# Altium PCB mcb2.PcbDoc (part 2 of 2)
Units mm, origin at the board's own origin, x right, y up, seen from the top; angles counter-clockwise.
Board outline 110 x 120 mm, 4 copper layers (Top Layer, GND, PWR, Bottom Layer), stack 1.537 mm thick; 173 components, 192 nets, 761 pads, 380 vias.
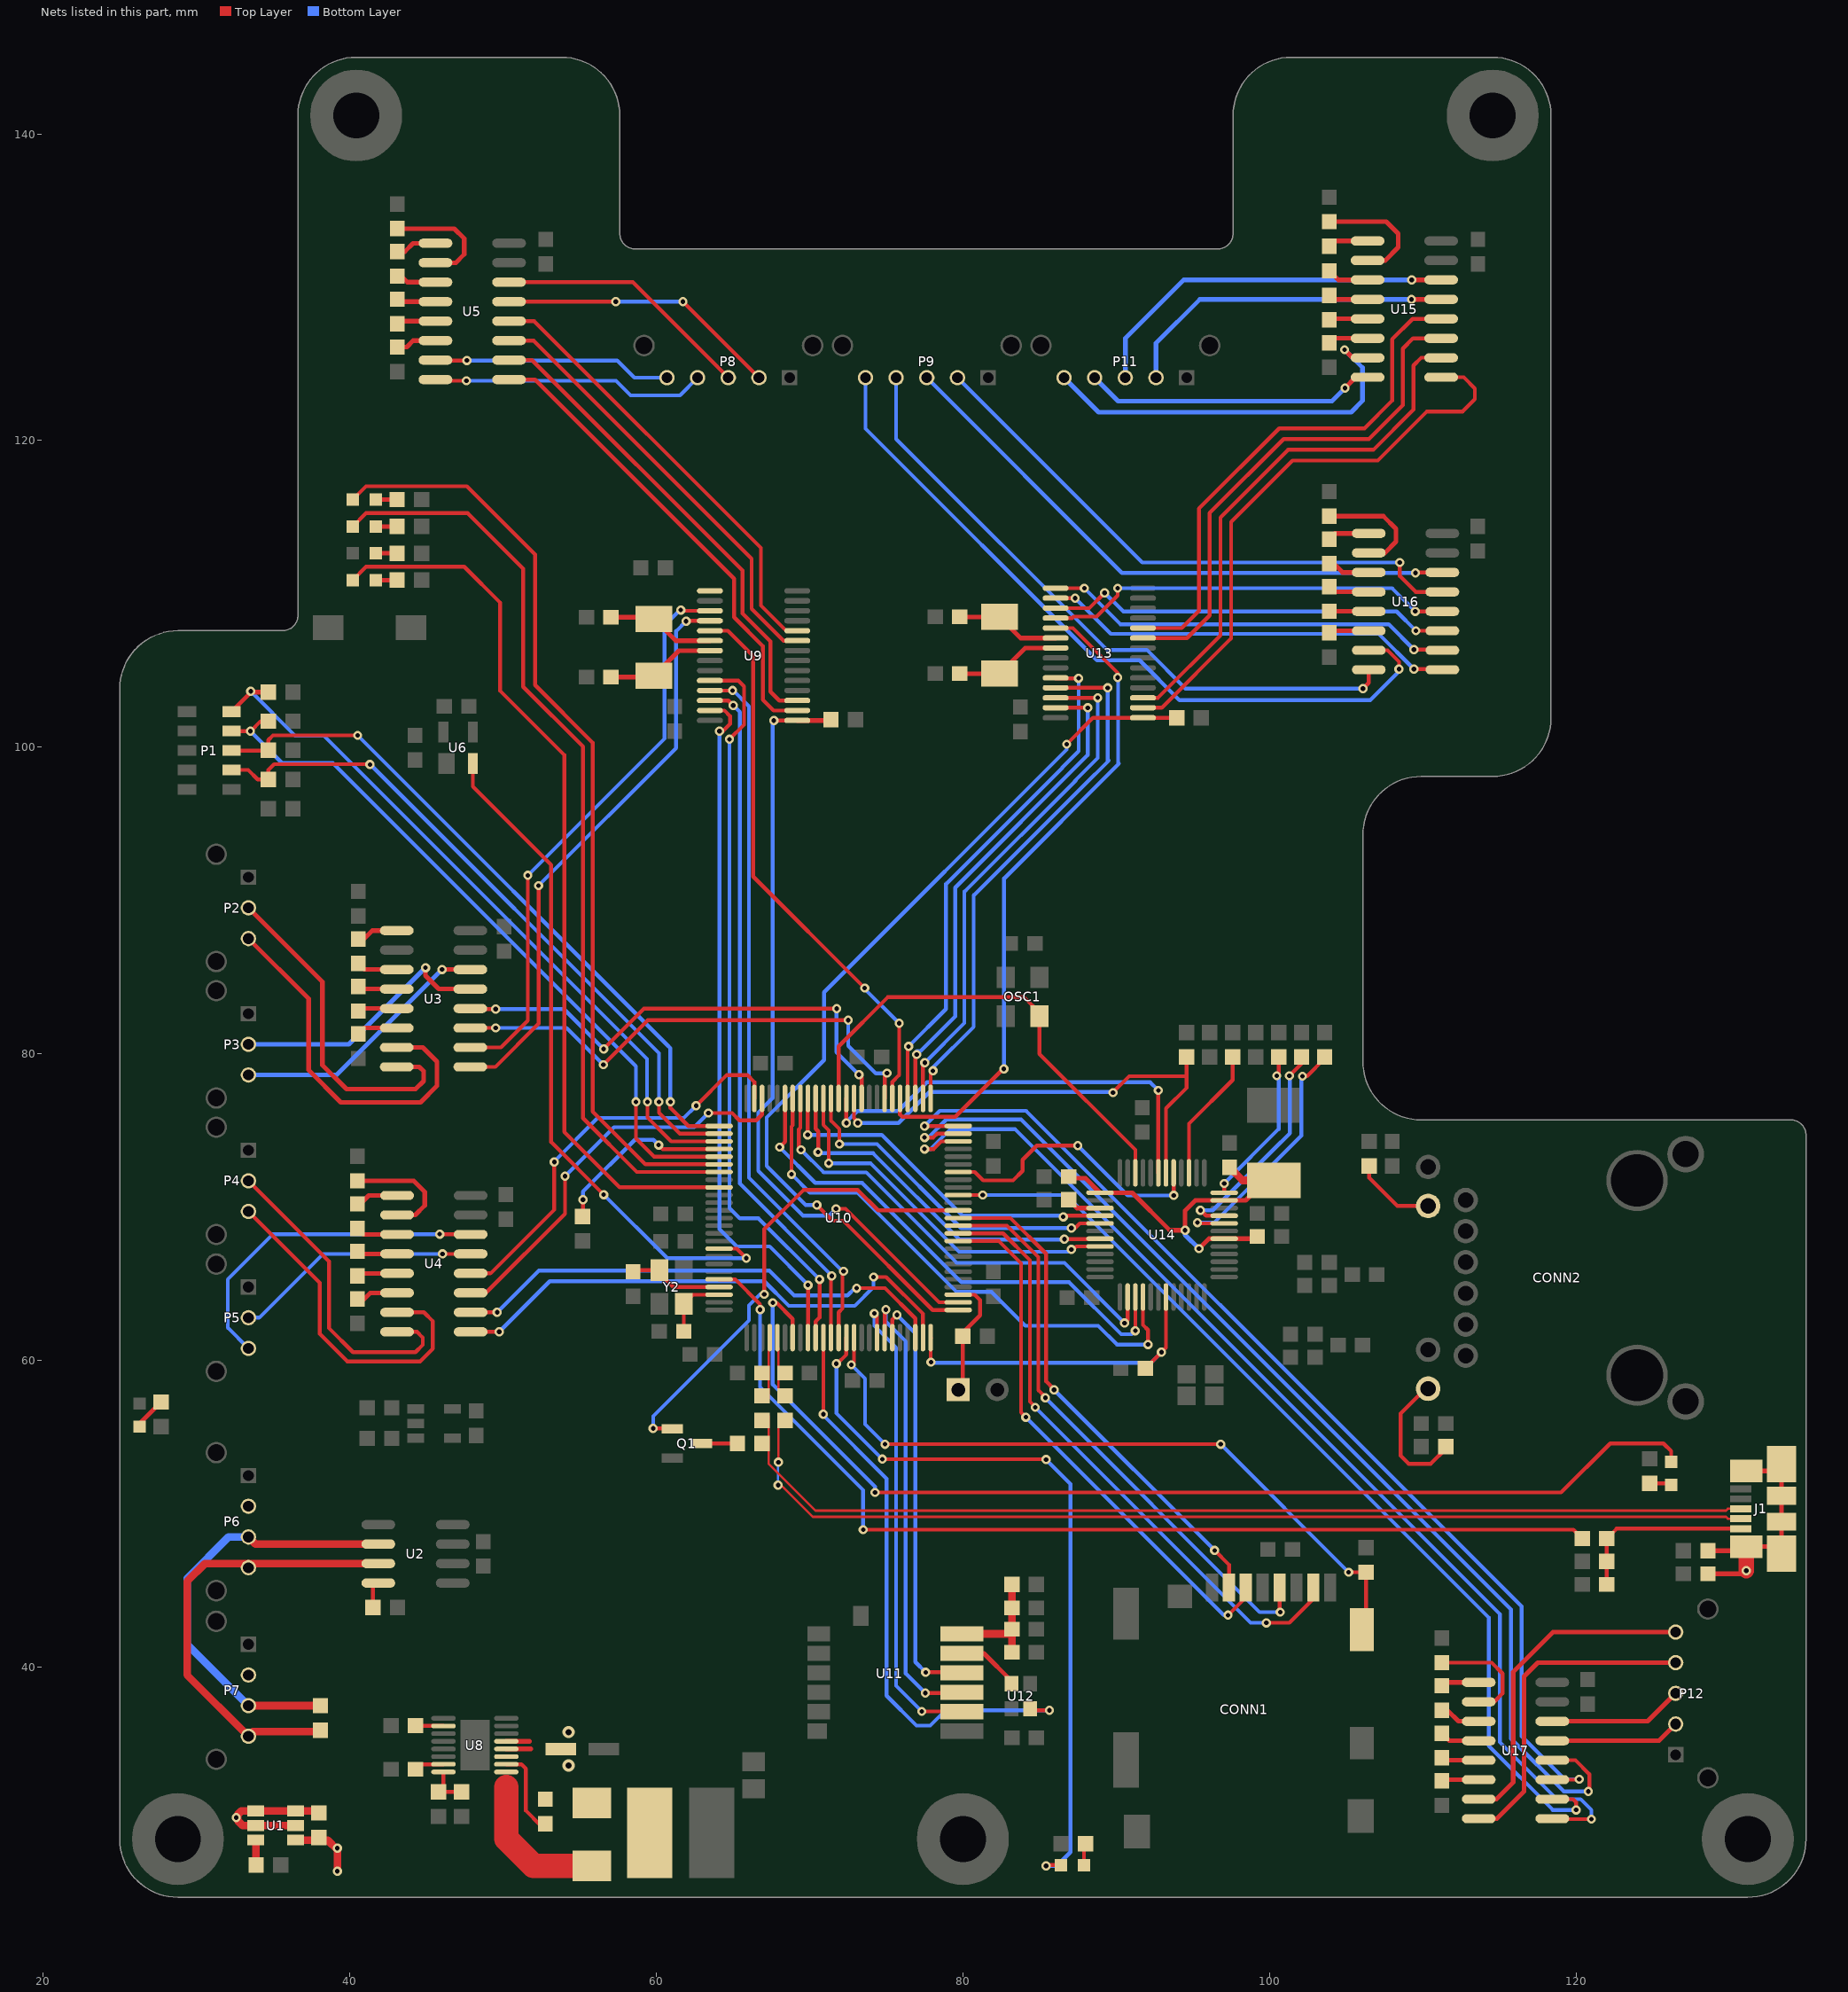
[diagram p4: the nets of this part, all layers, seen from the top]

## Via types
v1: diameter 0.6, hole 0.3, Top Layer to Bottom Layer, 213 vias
v2: diameter 0.6, hole 0.3, Top Layer to Bottom Layer, tented both sides, 156 vias
v3: diameter 0.8, hole 0.4, Top Layer to Bottom Layer, tented both sides, 11 vias

## Nets (pads, with @x,y where several pads share a name; then routed paths per layer and width w, separated by ;. In a path a pad name is that pad's centre, name@x,y a point inside that pad or via, vN(x,y) a via of type N, cw(c..) or ccw(c..) an arc to the next point about the centre after c; other vN are vias at no path point) (continued)
NetC2_1: C2.1 U3.1 | length 2.4
  Top Layer w0.3: C2.1@40.925,87.5 41.47,88.045 U3.1@43.075,88.045
NetC2_2: C2.2 U3.3 | length 2.1
  Top Layer w0.3: C2.2@40.97,85.505 U3.3@43.075,85.505
NetC3_1: C3.1 U3.4 | length 2.3
  Top Layer w0.3: C3.1@40.74,84.235 U3.4@43.075,84.235
NetC3_2: C3.2 U3.5 | length 2.3
  Top Layer w0.3: C3.2@40.74,82.965 U3.5@43.075,82.965
NetC4_1: C4.1 U3.6 | length 2.7
  Top Layer w0.3: C4.1@40.575,81.3 40.97,81.695 U3.6@43.075,81.695
NetC5_1: C5.1 U4.2 | length 7.6
  Top Layer w0.3: C5.1@40.5,71.725 44.175,71.725 44.9,71 44.9,70.125 44.275,69.5 U4.2@43.1,69.5
NetC6_1: C6.1 U4.1 | length 2.8
  Top Layer w0.3: C6.1@40.5,70.225 40.7,70.225 41.245,70.77 U4.1@43.1,70.77
NetC6_2: C6.2 U4.3 | length 2.8
  Top Layer w0.3: C6.2@40.5,68.625 40.895,68.23 U4.3@43.1,68.23
NetC7_1: C7.1 U4.4 | length 2.4
  Top Layer w0.3: C7.1@40.665,66.96 U4.4@43.1,66.96
NetC7_2: C7.2 U4.5 | length 2.4
  Top Layer w0.3: C7.2@40.665,65.69 U4.5@43.1,65.69
NetC8_1: C8.1 U4.6 | length 2.8
  Top Layer w0.3: C8.1@40.5,64.025 40.95,64.025 41.345,64.42 U4.6@43.1,64.42
NetC9_1: C9.1 U5.2 | length 7.8
  Top Layer w0.3: C9.1@43.1,133.825 46.825,133.825 47.475,133.175 47.475,132.15 46.925,131.6 U5.2@45.6,131.6
NetC10_1: C10.1 U5.1 | length 2.7
  Top Layer w0.3: C10.1@43.1,132.325 43.6,132.325 44.145,132.87 U5.1@45.6,132.87
NetC10_2: C10.2 U5.3 | length 2.7
  Top Layer w0.3: C10.2@43.1,130.725 43.375,130.725 43.77,130.33 U5.3@45.6,130.33
NetC11_1: C11.1 U5.4 | length 2.3
  Top Layer w0.3: C11.1@43.265,129.06 U5.4@45.6,129.06
NetC11_2: C11.2 U5.5 | length 2.3
  Top Layer w0.3: C11.2@43.265,127.79 U5.5@45.6,127.79
NetC12_1: C12.1 U5.6 | length 2.7
  Top Layer w0.3: C12.1@43.1,126.1 43.725,126.1 44.145,126.52 U5.6@45.6,126.52
NetC13_1: C13.1 U8.15 | length 1.5
  Top Layer w0.25: C13.1@44.625,33.675 U8.15@46.125,33.675
NetC20_1: C20.1 D6.2 L1.2 U8.3
NetC20_2: C20.2 U8.2 | length 5.8
  Top Layer w0.25: U8.2@50.225,33.675 51.2,33.675 51.5,33.375 51.5,30.65 52.411,29.739 52.775,29.739 C20.2@52.775,29.8
NetC22_1: C22.1 R9.2 U1.4 U8.4 U8.5 | length 7.5
  Top Layer w0.3: U8.4@50.225,34.675 51.825,34.675 ; U8.5@50.225,35.175 51.725,35.175
  Top Layer w0.5: U1.4@36.482,28.73 38.57,28.73 39.2,28.1 39.2,27.7 v2(39.2,26.7)
  other v2: 39.2,28.2
  other v3: 54.275,33.6 54.275,35.775
NetC23_1: C23.1 U9.6 Y1.1 | length 7.1
  Top Layer w0.3: C23.1@57.05,108.475 59.75,108.475 Y1.1@59.85,108.375 61.275,106.95 U9.6@63.5,106.95
NetC24_1: C24.1 U9.7 Y1.2 | length 7
  Top Layer w0.3: C24.1@57.05,104.575 Y1.2@59.75,104.575 ; Y1.2@59.85,104.675 61.475,106.3 U9.7@63.5,106.3
NetC27_1: C27.1 U10.22 Y2.1 | length 5.9
  Top Layer w0.25: C27.1@58.6,65.9 Y2.1@60.2,65.9 ; Y2.1@60.2,65.7 61.1,64.8 U10.22@64.1,64.8
NetC28_1: C28.1 U10.23 Y2.2 | length 4.3
  Top Layer w0.25: C28.1@61.8,61.9 Y2.2@61.8,63.7 62.4,64.3 U10.23@64.1,64.3
NetC37_1: C37.1 U13.6 Y3.1 | length 6.8
  Top Layer w0.3: C37.1@79.8,108.5 Y3.1@82.4,108.5 83.775,107.125 U13.6@86.05,107.125
NetC38_1: C38.1 U13.7 Y3.2 | length 6.9
  Top Layer w0.3: C38.1@79.8,104.8 Y3.2@82.4,104.8 84.075,106.475 U13.7@86.05,106.475
NetC43_2: C43.2 C44.2 C45.2 R27.1 U11.6 | length 7.8
  Top Layer w0.5: U11.6@79.95,42.18 82.899,42.18 C44.2@83.2,42.481 ; C45.2@83.2,40.981 C43.2@83.2,43.881 R27.1@83.2,45.4
NetC47_1: C47.1 C50.1 C51.1 C53.1 U14.18 U14.23 U14.37 | length 24.8
  Top Layer w0.3: C47.1@86.9,71.9 88,71.9 U14.37@88.95,70.95 91.05,70.95 93.5,68.5 v1(94.5,68.5) 94.5,69.775 95.175,70.45 U14.23@97.05,70.45 98.45,70.45 C51.1@99.75,71.75 ; v2(95.4,67.3) 96.05,67.95 U14.18@97.05,67.95 C53.1@99.05,67.95
  Top Layer w0.5: C50.1@97.4,72.6 98.25,71.75 C51.1@100.3,71.75
  Bottom Layer w0.3: v1@94.5,68.2 v2(95.4,67.3)
NetC54_1: C54.1 U15.2 | length 8.1
  Top Layer w0.3: C54.1@103.9,134.275 107.625,134.275 108.4,133.5 108.4,132.6 107.55,131.75 U15.2@106.4,131.75
NetC55_1: C55.1 U15.1 | length 2.6
  Top Layer w0.3: C55.1@103.9,132.675 104.245,133.02 U15.1@106.4,133.02
NetC55_2: C55.2 U15.3 | length 2.7
  Top Layer w0.3: C55.2@103.9,131.075 104.495,130.48 U15.3@106.4,130.48
NetC56_1: C56.1 U15.4 | length 2.2
  Top Layer w0.3: C56.1@104.165,129.21 U15.4@106.4,129.21
NetC56_2: C56.2 U15.5 | length 2.4
  Top Layer w0.3: C56.2@103.965,127.94 U15.5@106.4,127.94
NetC57_1: C57.1 U15.6 | length 2.6
  Top Layer w0.3: C57.1@103.9,126.375 104.195,126.67 U15.6@106.4,126.67
NetC59_1: C59.1 U16.2 | length 7.6
  Top Layer w0.3: C59.1@103.9,115.075 107.425,115.075 108.25,114.25 108.25,113.4 107.525,112.675 U16.2@106.475,112.675
NetC60_1: C60.1 U16.1 | length 2.7
  Top Layer w0.3: C60.1@103.9,113.575 104.27,113.945 U16.1@106.475,113.945
NetC60_2: C60.2 U16.3 | length 2.8
  Top Layer w0.3: C60.2@103.9,111.975 104.2,111.975 104.77,111.405 U16.3@106.475,111.405
NetC61_1: C61.1 U16.4 | length 2.7
  Top Layer w0.3: C61.1@103.9,110.475 104.24,110.135 U16.4@106.475,110.135
NetC61_2: C61.2 U16.5 | length 2.6
  Top Layer w0.3: C61.2@103.91,108.865 U16.5@106.475,108.865
NetC62_1: C62.1 U16.6 | length 2.5
  Top Layer w0.3: C62.1@104.02,107.595 U16.6@106.475,107.595
NetC67_1: C67.1 U17.2 | length 7.3
  Top Layer w0.25: C67.1@111.25,40.3 114.5,40.3 115.2,39.6 115.2,38.3 114.65,37.75 U17.2@113.65,37.75
NetC68_1: C68.1 U17.1 | length 2.5
  Top Layer w0.3: C68.1@111.25,38.8 111.47,39.02 U17.1@113.65,39.02
NetC68_2: C68.2 U17.3 | length 2.7
  Top Layer w0.3: C68.2@111.25,37.2 111.6,37.2 112.32,36.48 U17.3@113.65,36.48
NetC69_1: C69.1 U17.4 | length 3.7
  Top Layer w0.3: C69.1@111.25,35.7 111.74,35.21 U17.4@113.65,35.21 U17.4@112.59,35.21
NetC69_2: C69.2 U17.5 | length 2.2
  Top Layer w0.3: C69.2@111.41,33.94 U17.5@113.65,33.94
NetC70_1: C70.1 U17.6 | length 2.3
  Top Layer w0.3: C70.1@111.32,32.67 U17.6@113.65,32.67
NetC73_1: C73.1 J1.1 R46.2 R47.2 | length 12
  Top Layer w0.25: C73.1@122,45.4 R46.2@122,46.9 R47.2@122,48.4 122.64,49.04 J1.1@130.74,49.04
NetC75_1: C75.1 J1.6 R49.2 | length 16.3
  Top Layer w0.3: C75.1@128.6,46.1 v2@130.9,46.1 ; R49.2@128.6,47.6 J1.6@130.83,47.6 ; J1.6@131.1,47.87 132.95,47.87 J1.6@133.4,47.42 J1.6@133.4,49.5 J1.6@133.4,51.18 J1.6@133.4,53.25 ; J1.6@131.1,52.8 J1.6@132.95,52.8
  Top Layer w1: v2(131.1,46.3) J1.6@131.1,47.87
NetCONN2_8: CONN2.8 R43.1 | length 5.4
  Top Layer w0.25: R43.1@106.5,72.7 106.5,71.925 108.335,70.09 CONN2.8@110.35,70.09
NetCONN2_10: CONN2.10 R45.1 | length 8.9
  Top Layer w0.25: CONN2.10@110.35,58.17 110.17,58.17 108.55,56.55 108.55,53.8 109.075,53.275 110.525,53.275 111.5,54.25 R45.1@111.5,54.4
NetD1_1: D1.1 R1.1 | length 2.2
  Top Layer w0.3: D1.1@26.3,55.7 26.3,55.9 R1.1@27.7,57.3
NetD2_1: D2.1 R12.1 | length 1.4
  Top Layer w0.3: D2.1@41.7,116.15 R12.1@43.1,116.15
NetD3_1: D3.1 R13.1 | length 1.4
  Top Layer w0.3: D3.1@41.7,112.65 R13.1@43.1,112.65
NetD4_1: D4.1 R14.1 | length 1.4
  Top Layer w0.3: D4.1@41.7,114.4 R14.1@43.1,114.4
NetD5_1: D5.1 R15.1 | length 1.4
  Top Layer w0.3: D5.1@41.7,110.9 R15.1@43.1,110.9
NetD6_1: D6.1 U8.1 | length 9.7
  Top Layer w1.6: 50.225,32.175 50.225,28.825 52,27.05 D6.1@55.8,27.05
NetD7_1: D7.1 R28.1 | length 1.3
  Top Layer w0.25: D7.1@87.9,27.1 R28.1@87.9,28.4
NetD8_1: D8.1 R48.1 | length 1.3
  Top Layer w0.25: R48.1@124.8,52 D8.1@126.1,52
NetP2_2: P2.2 U3.8 | length 22.6
  Top Layer w0.3: P2.2@33.4,89.525 38.225,84.7 38.225,79.275 39.8,77.7 44.3,77.7 44.825,78.225 44.825,78.875 44.545,79.155 43.13,79.155 43.075,79.1 U3.8@43.075,79.155
  Bottom Layer w0.3: P2.2@33.4,89.525 P2.2@33.625,89.3
NetP2_3: P2.3 U3.7 | length 24.5
  Top Layer w0.3: P2.3@33.4,87.525 37.325,83.6 37.325,78.95 39.425,76.85 44.625,76.85 45.7,77.925 45.7,79.5 44.775,80.425 U3.7@43.075,80.425
NetP3_2: P3.2 U3.13 | length 17.4
  Top Layer w0.3: v1(44.95,85.625) 44.95,85.1 45.815,84.235 U3.13@47.875,84.235
  Bottom Layer w0.3: P3.2@33.4,80.625 39.95,80.625 v1(44.95,85.625)
NetP3_3: P3.3 U3.14 | length 17.3
  Top Layer w0.3: v1(46.03,85.505) U3.14@47.875,85.505
  Bottom Layer w0.3: P3.3@33.4,78.625 39.15,78.625 v1(46.03,85.505)
NetP4_2: P4.2 U4.8 | length 21.1
  Top Layer w0.25: P4.2@33.4,71.725 38.65,66.475 38.65,62.125 40.225,60.55 44.3,60.55 44.775,61.025 44.775,61.5 44.395,61.88 U4.8@43.1,61.88
NetP4_3: P4.3 U4.7 | length 22.7
  Top Layer w0.25: P4.3@33.4,69.725 38.05,65.075 38.05,61.75 39.85,59.95 44.6,59.95 45.431,60.781 45.431,62.569 44.85,63.15 U4.7@43.1,63.15
NetP5_2: P5.2 U4.13 | length 16.2
  Top Layer w0.25: v1(46.06,66.96) U4.13@47.9,66.96
  Bottom Layer w0.25: P5.2@33.4,62.8 34.1,62.8 38.26,66.96 v1(46.06,66.96)
NetP5_3: P5.3 U4.14 | length 22.1
  Top Layer w0.25: v1(45.875,68.25) U4.14@47.88,68.25
  Bottom Layer w0.25: P5.3@33.4,60.8 32.05,62.15 32.05,65.3 35,68.25 v1(45.875,68.25)
NetP6_2: P6.2 P7.2 R9.1 U1.1 U1.2 U1.5 U1.6 | length 9.8
  Top Layer w0.5: U1.5@36.482,29.68 U1.2@33.882,29.68 33.02,29.68 32.7,30 32.7,30.4 32.93,30.63 U1.1@33.882,30.63 U1.6@36.482,30.63 37.87,30.63 R9.1@38,30.5
  other v2: 32.6,30.2
NetP6_3: P6.3 P7.3 R8.2 U2.6 | length 28.4
  Top Layer w0.5: P7.3@33.4,37.5 R8.2@38.1,37.5 ; P6.3@33.4,48.5 33.865,48.035 U2.6@41.875,48.035
  Bottom Layer w0.5: P7.3@33.4,37.5 29.4,41.5 29.4,45.8 32.1,48.5 P6.3@33.4,48.5
NetP6_4: P6.4 P7.4 R8.1 U2.7 | length 29.6
  Top Layer w0.5: R8.1@38.1,35.9 38,35.8 33.7,35.8 P7.4@33.4,35.5 29.4,39.5 29.4,45.6 30.565,46.765 33.665,46.765 U2.7@41.875,46.765
NetP8_2: P8.2 U5.13 | length 18.4
  Top Layer w0.25: U5.13@50.4,129.06 v1(57.365,129.06) ; v1(61.74,129.06) P8.2@66.7,124.1
  Bottom Layer w0.25: v1(57.365,129.06) v1(61.74,129.06)
NetP8_3: P8.3 U5.14 | length 16.9
  Top Layer w0.25: U5.14@50.4,130.33 58.47,130.33 P8.3@64.7,124.1
NetP8_4: P8.4 U5.8 | length 17.9
  Top Layer w0.25: U5.8@45.68,123.9 v1(47.625,123.9)
  Bottom Layer w0.25: v1(47.625,123.9) 57.375,123.9 58.325,122.95 61.55,122.95 P8.4@62.7,124.1
NetP8_5: P8.5 U5.7 | length 15.6
  Top Layer w0.25: U5.7@45.6,125.25 45.625,125.225 v1(47.65,125.225)
  Bottom Layer w0.25: v1(47.65,125.225) 57.45,125.225 58.575,124.1 P8.5@60.7,124.1
NetP9_2: P9.2 U16.13 | length 37.9
  Top Layer w0.25: v1(108.5,112.05) 108.5,111.175 109.54,110.135 U16.13@111.275,110.135
  Bottom Layer w0.25: P9.2@79.65,124.1 91.7,112.05 v1(108.5,112.05)
NetP9_3: P9.3 U16.14 | length 38.9
  Top Layer w0.25: v1(109.525,111.375) 109.525,111.385 109.545,111.405 U16.14@111.275,111.405
  Bottom Layer w0.25: P9.3@77.65,124.1 90.375,111.375 v1(109.525,111.375)
NetP9_4: P9.4 U16.8 | length 42.6
  Top Layer w0.25: v1(106.1,103.825) 106.475,104.2 U16.8@106.475,105.055
  Bottom Layer w0.25: P9.4@75.65,124.1 75.65,120.1 89.4,106.35 92,106.35 94.525,103.825 v1(106.1,103.825)
NetP9_5: P9.5 U16.7 | length 49.3
  Top Layer w0.25: U16.7@106.475,106.325 107.7,106.325 108.45,105.575 v1(108.45,105.1)
  Bottom Layer w0.25: P9.5@73.65,124.1 73.65,120.775 88.75,105.675 91.525,105.675 94.125,103.075 106.575,103.075 v1@108.525,105.025 ; v1@108.275,105.1 v1(108.45,105.1)
NetP11_2: P11.2 U15.13 | length 22
  Top Layer w0.3: v1(109.265,129.21) U15.13@111.2,129.21
  Bottom Layer w0.3: P11.2@92.6,124.1 92.6,126.35 95.46,129.21 v1(109.265,129.21)
NetP11_3: P11.3 U15.14 | length 24.8
  Top Layer w0.3: v1(109.28,130.48) U15.14@111.2,130.48
  Bottom Layer w0.3: P11.3@90.6,124.1 90.6,126.675 94.405,130.48 v1(109.28,130.48)
NetP11_4: P11.4 U15.8 | length 19.1
  Top Layer w0.3: v1(104.925,123.425) 105.63,124.13 U15.8@106.4,124.13
  Bottom Layer w0.3: P11.4@88.6,124.1 90.125,122.575 104.075,122.575 v1(104.925,123.425)
NetP11_5: P11.5 U15.7 | length 26.3
  Top Layer w0.3: P11.5@86.6,124 P11.5@86.6,124.1 ; v1(104.9,125.925) 105.425,125.4 U15.7@106.4,125.4
  Bottom Layer w0.3: P11.5@86.6,124.1 88.85,121.85 105.325,121.85 106.075,122.6 106.075,124.75 v1(104.9,125.925)
NetP12_2: P12.2 U17.13 | length 8.5
  Top Layer w0.3: U17.13@118.45,35.21 125.41,35.21 P12.2@126.5,36.3
NetP12_3: P12.3 U17.14 | length 8.8
  Top Layer w0.3: U17.14@118.45,36.48 124.68,36.48 P12.3@126.5,38.3
NetP12_4: P12.4 U17.8 | length 22.3
  Top Layer w0.3: U17.8@114.5,30.13 U17.8@113.65,30.13 114.83,30.13 116.6,31.9 116.6,39.4 117.5,40.3 P12.4@126.5,40.3
NetP12_5: P12.5 U17.7 | length 21.6
  Top Layer w0.3: U17.7@113.65,31.4 114.8,31.4 115.9,32.5 115.9,39.7 118.5,42.3 P12.5@126.5,42.3
NetQ1_1: Q1.1 R23.2 | length 2.4
  Top Layer w0.25: Q1.1@62.95,54.6 R23.2@65.3,54.6
NetR7_2: R7.2 U1.3 | length 1.6
  Top Layer w0.5: R7.2@33.882,27.118 U1.3@33.882,28.73
NetR16_2: R16.2 U2.8 | length 1.6
  Top Layer w0.25: R16.2@41.525,43.9 41.525,45.445 U2.8@41.575,45.495
NetR17_2: R17.2 U8.10 | length 1.8
  Top Layer w0.25: R17.2@44.3,36.2 44.325,36.175 U8.10@46.125,36.175
NetR18_2: R18.2 R19.1 U8.16 | length 2.5
  Top Layer w0.25: R18.2@45.8,31.875 R19.1@47.3,31.875 ; R18.2@46.125,32.2 U8.16@46.125,33.175
NetR21_1: R21.1 U10.4 | length 12.1
  Top Layer w0.25: R21.1@55.225,69.425 v1(55.225,70.5) ; v1(60.159,74.059) 60.418,73.8 U10.4@64.1,73.8
  Bottom Layer w0.25: v1(55.225,70.5) 55.225,71.025 58.6,74.4 59.818,74.4 v1(60.159,74.059)
NetR29_1: R29.1 U14.39 | length 2.3
  Top Layer w0.3: R29.1@86.9,70.5 87.35,70.05 87.45,69.95 U14.39@88.95,69.95
NetR34_1: R34.1 U14.27 | length 8.7
  Top Layer w0.25: U14.27@94.75,72.25 94.75,75.45 97.6,78.3 R34.1@97.6,79.8
NetR40_1: R40.1 U14.21 | length 14.9
  Top Layer w0.25: v2@95.513,69.8 95.863,69.45 U14.21@97.05,69.45 ; v1@101.355,78.629 102.1,79.374 R40.1@102.1,79.8
  Bottom Layer w0.25: v2(95.5,69.8) 96.3,69.8 100.23,73.73 101.325,74.825 101.325,78.599 v1@101.355,78.629
  other v1: 101.3,78.575
NetR41_2: R41.2 U14.24 | length 10.3
  Top Layer w0.25: U14.24@97.05,70.95 v2(97.05,71.55) ; v2@100.6,78.6 R41.2@100.6,79.8
  Bottom Layer w0.25: v2(97.05,71.55) 100.6,75.1 v2@100.6,78.6
  other v2: 100.475,78.575
NetR42_1: R42.1 U14.20 | length 16.4
  Top Layer w0.25: v2@95.55,68.95 U14.20@97.05,68.95 ; v1@102.13,78.554 102.454,78.554 103.6,79.7 R42.1@103.6,79.8
  Bottom Layer w0.25: v2@95.5,69 96.4,69 102.075,74.675 102.075,78.499 v1@102.13,78.554
  other v1: 102.15,78.55
  other v2: 95.3,69
NetU3_9: U3.9 U9.4 | length 37.4
  Top Layer w0.25: U3.9@47.875,79.155 49.505,79.155 52.325,81.975 v1(52.325,90.975) ; v1(61.95,108.225) 61.975,108.25 U9.4@63.5,108.25
  Bottom Layer w0.25: v1(52.325,90.975) 61.3,99.95 61.3,107.575 v1(61.95,108.225)
NetU3_10: U3.10 U9.3 | length 37.3
  Top Layer w0.25: U3.10@47.875,80.425 49.875,80.425 51.625,82.175 v1(51.625,91.65) ; v1(61.6,108.95) 61.65,108.9 U9.3@63.5,108.9
  Bottom Layer w0.25: v1(51.625,91.65) 60.55,100.575 60.55,107.95 61.55,108.95 v1(61.6,108.95)
NetU5_9: U5.9 U9.16 | length 31.3
  Top Layer w0.25: U5.9@50.4,123.98 52.095,123.98 65.075,111 65.075,108.475 66.95,106.6 66.95,103.1 67.65,102.4 U9.16@69.2,102.4
NetU5_10: U5.10 U9.17 | length 31.6
  Top Layer w0.25: U5.10@50.4,125.25 51.9,125.25 65.625,111.525 65.625,108.725 67.45,106.9 67.45,103.625 68.025,103.05 U9.17@69.2,103.05
NetU5_11: U5.11 U9.23 | length 28.8
  Top Layer w0.25: U5.11@50.4,126.52 52.005,126.52 66.225,112.3 66.225,109.025 68.3,106.95 U9.23@69.2,106.95
NetU5_12: U5.12 U9.24 | length 29.4
  Top Layer w0.25: U5.12@50.4,127.79 52.035,127.79 66.825,113 66.825,109.25 68.475,107.6 U9.24@69.2,107.6
NetU9_1: U9.1
NetU10_17: U6.2 U10.17 | length 44.7
  Top Layer w0.25: U6.2@48.035,98.95 48.035,97.44 53.15,92.325 53.15,74.25 v1(56.575,70.825) ; U10.17@64.1,67.3 65.25,67.3 v1(65.875,66.675)
  Bottom Layer w0.25: v1(56.575,70.825) 60.725,66.675 v1(65.875,66.675)
NetU10_53: P10.1 R26.1 U10.53 | length 8
  Top Layer w0.25: P10.1@79.7,58.1 80,58.4 80,61.825 81.125,62.95 81.125,63.95 80.775,64.3 U10.53@79.7,64.3
NetU11_5: U11.5 U12.3 | length 4.1
  Top Layer w0.3: U11.5@79.95,40.91 81.365,40.91 83.175,39.1 U12.3@83.175,38.925
NetU13_1: U13.1 U16.10 | length 26.8
  Top Layer w0.25: U13.1@86.05,110.375 v1(87.925,110.375) ; v1(109.425,106.375) U16.10@111.225,106.375
  Bottom Layer w0.25: v1(87.925,110.375) 90.275,108.025 107.775,108.025 v1(109.425,106.375)
NetU13_2: U13.2 U16.9 | length 27.2
  Top Layer w0.25: U13.2@86.05,109.725 v1(87.325,109.725) ; v1(109.425,105.1) 111.23,105.1 U16.9@111.275,105.055
  Bottom Layer w0.25: v1(87.325,109.725) 89.65,107.4 107.125,107.4 v1(109.425,105.1)
NetU13_3: U13.3 U16.11 | length 26.7
  Top Layer w0.25: U13.3@86.05,109.075 88.25,109.075 v1(89.25,110.075) ; v1(109.555,107.595) U16.11@111.275,107.595
  Bottom Layer w0.25: v1(89.25,110.075) 90.475,108.85 108.3,108.85 v1(109.555,107.595)
NetU13_4: U13.4 U16.12 | length 26.9
  Top Layer w0.25: U13.4@86.05,108.425 87.125,108.425 87.225,108.525 88.725,108.525 90.1,109.9 v1(90.1,110.375) ; v1(109.51,108.865) U16.12@111.275,108.865
  Bottom Layer w0.25: v1(90.1,110.375) 108,110.375 v1(109.51,108.865)
NetU13_16: U13.16 U15.9 | length 37.6
  Top Layer w0.25: U13.16@91.75,102.575 92.975,102.575 97.5,107.1 97.5,114.7 101.5,118.7 107.07,118.7 110.27,121.9 112.6,121.9 113.4,122.7 113.4,123.4 112.67,124.13 U15.9@111.2,124.13
NetU13_17: U13.17 U15.10 | length 34.8
  Top Layer w0.25: U13.17@91.75,103.225 92.725,103.225 96.8,107.3 96.8,114.99 101.21,119.4 106.78,119.4 109.4,122.02 109.4,124.9 109.9,125.4 U15.10@111.2,125.4
NetU13_23: U13.23 U15.11 | length 33.6
  Top Layer w0.25: U13.23@91.75,107.125 94.625,107.125 96.1,108.6 96.1,115.28 100.92,120.1 106.49,120.1 108.7,122.31 108.7,126 109.37,126.67 U15.11@111.2,126.67
NetU13_24: U13.24 U15.12 | length 34.1
  Top Layer w0.25: U13.24@91.75,107.775 94.275,107.775 95.4,108.9 95.4,115.57 100.63,120.8 106.2,120.8 108,122.6 108,126.6 109.34,127.94 U15.12@111.2,127.94
PHY_CRS_DV: U10.92 U14.40 | length 23.7
  Top Layer w0.25: v2(69.875,74.725) 69.875,77.075 U10.92@69.9,77.1 ; v2(86.55,69.375) 86.625,69.45 U14.40@88.95,69.45
  Bottom Layer w0.25: v2(69.875,74.725) 74.7,74.725 79.975,69.45 86.475,69.45 v2(86.55,69.375)
PHY_I\R\Q\: R30.1 U10.50 U14.7 | length 22.3
  Top Layer w0.25: v1@77.9,59.925 U10.50@77.9,61.5 U10.50@77.925,61.475 ; R30.1@91.9,59.5 v1(92.954,60.554) 93.25,60.85 U14.7@93.25,64.15
  Bottom Layer w0.25: v1(77.925,59.9) 77.875,59.85 92.25,59.85 v1(92.954,60.554)
PHY_MDC: U10.87 U14.31 | length 28.7
  Top Layer w0.25: v2(72.4,75.5) U10.87@72.4,77.1 ; U14.31@92.75,72.25 v2(92.75,77.625)
  Bottom Layer w0.25: v2(72.4,75.5) 72.4,75.563 73.112,76.275 75.775,76.275 77.65,78.15 92.225,78.15 v2(92.75,77.625)
PHY_MDIO: R32.1 U10.86 U14.30 | length 32.7
  Top Layer w0.25: U10.86@72.9,77.1 72.9,75.813 73.15,75.563 v2(73.15,75.5) ; v2(89.8,77.475) 89.8,77.45 89.775,77.475 89.788,77.488 90.85,78.55 94.6,78.55 ; U14.30@93.275,72.275 U14.30@93.25,72.25 93.25,76.45 94.6,77.8 94.6,78.55 ; R32.1@94.6,79.8 94.6,78.55
  Bottom Layer w0.25: v2(73.15,75.5) 75.8,75.5 77.825,77.525 89.75,77.525 v2(89.8,77.475)
PHY_R\E\S\E\T\: U10.69 U14.29 | length 18.5
  Top Layer w0.25: U10.69@79.7,72.3 80.775,72.3 81.325,71.75 83.275,71.75 83.9,72.375 83.9,73.1 84.825,74.025 v2(87.5,74.025) ; v2(93.75,70.775) U14.29@93.75,72.25
  Bottom Layer w0.25: v2(87.5,74.025) 90.75,70.775 v2(93.75,70.775)
PHY_RX_ER: U10.89 U14.41 | length 22.6
  Top Layer w0.25: U10.89@71.4,77.1 71.4,75.65 71.95,75.1 v2(71.95,74.125) ; v2(87.075,68.65) 87.325,68.65 87.625,68.95 U14.41@88.95,68.95
  Bottom Layer w0.25: v2(71.95,74.125) 74.4,74.125 79.875,68.65 v2(87.075,68.65)
PHY_RXD0: U10.91 U14.43 | length 24.6
  Top Layer w0.25: U10.91@70.4,77.1 70.4,75.125 70.575,74.95 70.575,73.625 v2(70.55,73.6) ; v2(86.625,67.925) 88.925,67.925 U14.43@88.95,67.95
  Bottom Layer w0.25: v2@70.525,73.525 74.15,73.525 79.779,67.896 86.623,67.896 86.625,67.898 v2(86.625,67.925) ; v2@70.55,73.425 v2(70.55,73.6)
PHY_RXD1: U10.90 U14.44 | length 24.7
  Top Layer w0.25: U10.90@70.9,77.1 70.9,75.375 71.25,75.025 v2(71.25,72.875) ; v2@87.083,67.157 87.083,67.117 87.1,67.1 87.1,67.15 87.4,67.45 U14.44@88.95,67.45
  Bottom Layer w0.25: v2(71.25,72.875) 73.975,72.875 79.75,67.1 86.925,67.1 v2(87.075,67.25)
PHY_TX_EN: U10.93 U14.2 | length 31
  Top Layer w0.25: U10.93@69.4,77.1 69.4,75.175 69.3,75.075 69.3,73.9 v1(69.45,73.75) ; v1(90.55,62.45) 90.75,62.65 U14.2@90.75,64.15
  Bottom Layer w0.25: v1(69.45,73.75) 70.925,72.275 73.7,72.275 79.6,66.375 86.625,66.375 v1(90.55,62.45)
PHY_TXD0: U10.95 U14.3 | length 33.9
  Top Layer w0.25: v1(68.05,73.925) 68.4,74.275 U10.95@68.4,77.1 ; v1(91.25,61.95) U14.3@91.25,64.15
  Bottom Layer w0.25: v1(68.05,73.925) 70.375,71.6 73.425,71.6 79.9,65.125 86.925,65.125 90.325,61.725 91.025,61.725 v1(91.25,61.95)
PHY_TXD1: U10.94 U14.4 | length 36.1
  Top Layer w0.25: v1(68.825,72.15) 68.825,75.275 68.9,75.35 U10.94@68.9,77.1 ; U14.4@91.75,64.15 91.75,62.325 92.075,62 v1(92.075,61.05)
  Bottom Layer w0.25: v1(68.825,72.15) 70.025,70.95 73.125,70.95 79.6,64.475 81.875,64.475 84.075,62.275 88.825,62.275 90.05,61.05 v1(92.075,61.05)
PRESSURE_SENSOR.MISO: U10.44 U11.3 | length 30.3
  Top Layer w0.25: U10.44@74.9,61.5 74.9,63.249 v1(74.979,63.328) ; v1(77.55,38.325) U11.3@79.905,38.325
  Bottom Layer w0.25: v1@74.976,63.325 v1(74.979,63.328) 74.979,62.55 76.275,61.254 76.275,39.6 v1(77.55,38.325)
PRESSURE_SENSOR.MOSI: U10.45 U11.4 | length 28
  Top Layer w0.25: U10.45@75.4,61.5 75.4,62.675 v1(75.7,62.975) ; v1(77.575,39.675) U11.4@79.915,39.675
  Bottom Layer w0.25: v1(75.7,62.975) 76.9,61.775 76.9,40.35 v1(77.575,39.675)
PRESSURE_SENSOR.SCLK: U10.43 U11.2 | length 31.2
  Top Layer w0.25: U10.43@74.4,61.5 v1@74.4,62.9 ; v1(77.325,37.125) U11.2@79.925,37.125
  Bottom Layer w0.25: v1(74.225,63.075) 74.225,62.275 75.65,60.85 75.65,38.8 v1(77.325,37.125)
PS_OSC_EN: U10.36 U12.1 | length 38.2
  Top Layer w0.25: v1(70.9,56.5) U10.36@70.9,61.5 ; U12.1@84.4,37.3 84.5,37.2 v1(85.65,37.2)
  Bottom Layer w0.25: v1(70.9,56.5) 70.9,56.428 75.025,52.303 75.025,38.15 76.975,36.2 77.875,36.2 78.875,37.2 v1(85.65,37.2)
REF_CLK: OSC1.3 U10.88 U14.34 | length 31.3
  Top Layer w0.25: U10.88@71.9,77.1 71.9,80.5 75.1,83.7 84,83.7 85,82.7 OSC1.3@85,82.46 85,80 91.25,73.75 U14.34@91.25,72.25
S\D\C\A\R\D\_\C\D\: CONN1.9 R44.1 U10.40 | length 46.6
  Top Layer w0.25: v1(72.725,59.725) 72.9,59.9 U10.40@72.9,61.5 ; v1(74.925,54.55) v1(96.817,54.55) ; v1(105.167,46.2) R44.1@106.3,46.2 106.3,42.725 CONN1.9@106.025,42.45
  Bottom Layer w0.25: v1(72.725,59.725) 73.625,58.825 73.625,55.85 v1(74.925,54.55) ; v1(96.817,54.55) v1(105.167,46.2)
SDCARD_ACT: D7.2 U10.39 | length 49.4
  Top Layer w0.25: v1(71.75,59.8) 71.8,59.8 72.4,60.4 U10.39@72.4,61.5 ; v1(74.75,53.575) 85.425,53.575 v1(85.425,53.55) ; v1(85.425,27.05) 85.475,27.1 D7.2@86.4,27.1
  Bottom Layer w0.25: v1(71.75,59.8) 71.75,56.575 v1(74.75,53.575) ; v1(85.425,27.05) 86.125,27.05 87.025,27.95 87.025,51.95 v1(85.425,53.55)
SPI-UART0_I\R\Q\: R25.1 U9.15 U10.52 | length 50.3
  Top Layer w0.25: v1(67.675,101.75) U9.15@69.2,101.75 ; v1(71.725,69.9) 72.35,69.9 78.45,63.8 U10.52@79.7,63.8
  Top Layer w0.3: U9.15@69.2,101.75 R25.1@71.35,101.75
  Bottom Layer w0.25: v1@67.6,101.675 67.6,77.125 66.65,76.175 66.65,72.375 69.575,69.45 71.275,69.45 v1(71.725,69.9)
SPI-UART0_R\E\S\E\T\: U9.5 U10.81 | length 36.5
  Top Layer w0.25: U9.5@63.5,107.6 64.675,107.6 66.325,105.95 66.325,92.5 66.325,91.575 v1(73.6,84.3) ; U10.81@75.4,77.1 75.4,78.175 75.85,78.625 v1(75.85,82)
  Bottom Layer w0.25: v1(73.6,84.3) 73.6,84.25 v1(75.85,82)
SPI-UART1_I\R\Q\: R31.1 U10.51 U13.15 | length 59.9
  Top Layer w0.25: v1(70.475,70.15) 71.5,69.125 72.2,69.125 78.025,63.3 U10.51@79.7,63.3 ; v1(86.775,100.2) 88.5,101.925 U13.15@91.75,101.925 R31.1@93.95,101.925
  Bottom Layer w0.25: v1(70.475,70.15) 69.75,70.15 67.207,72.693 67.207,75.857 70.95,79.6 70.95,84.025 86.775,99.85 v1(86.775,100.2)
SPI-UART1_R\E\S\E\T\: U10.80 U13.5 | length 43.8
  Top Layer w0.25: U10.80@75.9,77.1 75.9,76.05 76.05,75.9 79.5,75.9 82.625,79.025 v1(82.675,79.025) ; U13.5@86.05,107.775 87.175,107.775 90.1,104.85 v1(90.1,104.55)
  Bottom Layer w0.25: v1(82.675,79.025) 82.675,91.45 ; 82.738,91.486 90.188,98.936 ; v1(90.1,104.55) 90.1,104.75 90.125,104.775 90.125,98.9
SPI.C\S\: CONN1.2 U10.63 | length 33.4
  Top Layer w0.25: U10.63@79.7,69.3 83.1,69.3 85.425,66.975 85.425,58.653 85.95,58.128 v1(85.95,58.1) ; v1(96.425,47.625) 97.36,46.69 CONN1.2@97.36,45.2
  Bottom Layer w0.25: v1(85.95,58.1) v1(96.425,47.625)
SPI.SPI.MISO: CONN1.7 U10.61 | length 40.3
  Top Layer w0.25: U10.61@79.7,68.3 80.8,68.3 82.625,68.3 84.375,66.55 84.375,57.325 v2@84.639,57.061 ; v2(99.8,42.9) 101.3,42.9 102.86,44.46 CONN1.7@102.86,45.2
  Bottom Layer w0.25: v2(84.725,56.95) 98.775,42.9 v2(99.8,42.9)
SPI.SPI.MOSI: CONN1.3 U10.60 | length 35.7
  Top Layer w0.25: U10.60@79.7,67.8 82.35,67.8 83.8,66.35 83.8,56.618 v2(84.109,56.309) ; v2(97.3,43.4) 98.46,44.56 CONN1.3@98.46,45.2
  Bottom Layer w0.25: v2(84.109,56.309) 84.154,56.264 97.018,43.4 v2(97.3,43.4)
SPI.SPI.SCLK: CONN1.5 U10.62 | length 38.1
  Top Layer w0.25: U10.62@79.7,68.8 82.875,68.8 84.925,66.75 84.925,58.075 v1@85.4,57.6 ; CONN1.5@100.66,45.2 100.66,43.64 v2(100.7,43.6)
  Bottom Layer w0.25: v1(85.379,57.578) 99.357,43.6 v2(100.7,43.6)
SSP0.C\S\: U9.10 U10.35 | length 48.5
  Top Layer w0.25: U9.10@63.5,104.35 65.35,104.35 65.725,103.975 65.725,101.475 v1(64.775,100.525) ; U10.35@70.4,61.5 70.4,62.553 70.65,62.803 v2(70.65,65.3)
  Bottom Layer w0.25: v1(64.775,100.525) 64.775,69.95 65.45,69.275 66.675,69.275 v2(70.65,65.3)
SSP0.SPI.MISO: U9.12 U10.37 | length 45.4
  Top Layer w0.25: U9.12@63.5,103.05 64.7,103.05 v1(65.025,102.725) ; U10.37@71.4,61.5 v2@71.4,65.475
  Bottom Layer w0.25: v1(65.025,102.725) 65.45,102.3 65.45,71.55 v2@71.4,65.6
  other v2: 71.45,65.525
SSP0.SPI.MOSI: U9.11 U10.38 | length 46.7
  Top Layer w0.25: U9.11@63.5,103.7 v1(64.975,103.7) ; U10.38@71.9,61.5 71.9,63.152 72.15,63.401 v2@72.15,65.75
  Bottom Layer w0.25: v1@65,103.725 66.05,102.675 66.05,71.925 v2@72.15,65.825
  other v2: 72.225,65.825
SSP0.SPI.SCLK: U9.13 U10.34 | length 46.1
  Top Layer w0.25: U9.13@63.5,102.4 64.45,102.4 64.825,102.025 64.825,101.525 64.35,101.05 v1(64.125,101.05) ; U10.34@69.9,61.5 69.9,63.5 v1(69.9,64.925)
  Bottom Layer w0.25: v1(64.125,101.05) 64.125,68.575 65.25,67.45 67.4,67.45 v1@69.9,64.95
SSP1.C\S\: U10.79 U13.10 | length 33.5
  Top Layer w0.25: U10.79@76.4,77.1 76.4,80.432 v2(76.459,80.491) ; U13.10@86.075,104.5 v1(87.55,104.5)
  Top Layer w0.3: U13.10@86.05,104.525 U13.10@86.075,104.5
  Bottom Layer w0.25: v2(76.459,80.491) 78.9,82.932 78.9,91.096 ; 78.963,91.131 86.515,98.684 ; 86.452,98.648 87.55,99.746 v1(87.55,104.5)
SSP1.SPI.MISO: U10.77 U13.12 | length 33.6
  Top Layer w0.25: U10.77@77.4,77.1 77.4,79.311 v2(77.52,79.43) ; U13.12@86.05,103.225 v1(88.8,103.225)
  Bottom Layer w0.25: v2(77.52,79.43) 80.1,82.011 80.1,90.598 ; 80.163,90.634 87.363,97.835 ; 87.301,97.799 88.8,99.299 v1(88.8,103.225)
SSP1.SPI.MOSI: U10.76 U13.11 | length 35
  Top Layer w0.25: U10.76@77.9,77.1 77.9,78.75 v2(78.05,78.9) ; U13.11@86.05,103.875 v1(89.45,103.875)
  Bottom Layer w0.25: v2(78.05,78.9) 78.05,79.112 80.7,81.762 80.7,90.35 ; 80.763,90.386 87.788,97.411 89.513,99.136 ; 89.45,99.1 v1(89.45,103.875)
SSP1.SPI.SCLK: U10.78 U13.13 | length 32.4
  Top Layer w0.25: U10.78@76.9,77.1 76.9,79.871 v2(76.989,79.961) ; U13.13@86.05,102.575 v1(88.15,102.575)
  Bottom Layer w0.25: v2(76.989,79.961) 76.989,80.173 77.223,80.173 79.5,82.45 79.5,90.847 88.15,99.497 v1(88.15,102.575)
TCK: P1.4 R3.1 U10.5 | length 47.5
  Top Layer w0.25: P1.4@32.3,101.056 33.556,101.056 34.2,101.7 R3.1@34.7,101.7 ; v1(58.675,76.875) 58.675,74.482 59.857,73.3 U10.5@64.1,73.3
  Bottom Layer w0.25: v1(33.525,101.05) 35.6,98.975 38.9,98.975 40.55,97.325 58.675,79.2 v1(58.675,76.875)
TDI: P1.8 R4.1 U10.2 | length 45.1
  Top Layer w0.25: P1.8@32.3,98.519 33.381,98.519 34,97.9 R4.1@34.7,97.9 34.7,98.525 35.075,98.9 40.622,98.9 41.3,98.9 v1(41.325,98.875) ; v1(60.175,76.875) 60.175,76.164 61.22,75.12 61.539,74.8 U10.2@64.1,74.8
  Bottom Layer w0.25: v1(41.325,98.875) 41.325,98.829 41.332,98.822 41.403,98.822 60.175,80.05 v1(60.175,76.875)
TDO: P1.6 R5.1 U10.1 | length 45.4
  Top Layer w0.25: P1.6@32.3,99.788 R5.1@34.688,99.788 ; R5.1@34.7,99.8 34.7,100.475 35,100.775 v1(40.525,100.775) ; v1(60.925,76.875) 60.925,76.475 62.1,75.3 U10.1@64.1,75.3
  Bottom Layer w0.25: v1(40.525,100.775) 60.775,80.525 60.925,80.375 v1(60.925,76.875)
TMS: P1.2 R2.1 U10.3 | length 47.8
  Top Layer w0.25: v1(59.425,76.875) 59.425,75.854 60.689,74.589 60.979,74.3 U10.3@64.1,74.3
  Top Layer w0.3: P1.2@32.3,102.325 33.575,103.6 R2.1@34.7,103.6
  Bottom Layer w0.25: v1(33.55,103.65) 36.45,100.75 38.325,100.75 59.4,79.675 v1@59.4,76.875
U\S\B\_\C\O\N\N\E\C\T\: Q1.2 U10.64 | length 31.9
  Top Layer w0.25: v1(59.8,55.575) 61.025,55.575 Q1.2@61.05,55.55 ; v1(67.05,64.325) 67.05,68.575 69.6,71.125 73.15,71.125 74.475,69.8 U10.64@79.7,69.8
  Bottom Layer w0.25: v1(59.8,55.575) 59.8,56.375 66.05,62.625 66.05,63.6 66.775,64.325 v1(67.05,64.325) v1@66.825,64.325
U\S\B\_\U\P\_\L\E\D\: D8.2 U10.32 | length 72.3
  Top Layer w0.25: v1(67.6,63.775) 67.85,63.775 68.9,62.725 U10.32@68.9,61.5 ; v1(74.275,51.4) 119.025,51.4 122.225,54.6 125.7,54.6 126.2,54.1 D8.2@126.2,53.4
  Bottom Layer w0.25: v1(67.6,63.775) 67.6,58.45 74.275,51.775 v1(74.275,51.4)
U\S\R\1\_\L\E\D\: D4.2 U10.7 | length 60.8
  Top Layer w0.25: D4.2@40.2,114.4 41.075,115.275 47.7,115.275 51.325,111.65 51.325,103.943 55.221,100.046 55.225,100.043 55.225,75.811 58.736,72.3 U10.7@64.1,72.3
U\S\R\2\_\L\E\D\: D2.2 U10.6 | length 61.7
  Top Layer w0.25: D2.2@40.2,116.15 41.075,117.025 47.65,117.025 52.1,112.575 52.1,110.425 52.1,104.052 55.85,100.302 55.85,76.247 59.297,72.8 U10.6@64.1,72.8
UART0.RXD: U4.12 U10.99 | length 27
  Top Layer w0.25: U4.12@47.9,65.69 49.19,65.69 53.35,69.85 v1(53.35,72.95) ; v1(62.6,76.625) 64.6,78.625 65.95,78.625 66.4,78.175 U10.99@66.4,77.1
  Bottom Layer w0.25: v1(53.35,72.95) 53.35,73 56.175,75.825 61.8,75.825 v1(62.6,76.625)
UART0.TXD: U4.11 U10.98 | length 26.7
  Top Layer w0.25: U4.11@47.9,64.42 48.895,64.42 54.05,69.575 v1(54.05,72.025) ; v1(63.4,76.15) 64.95,76.15 65.425,75.675 66.525,75.675 66.9,76.05 U10.98@66.9,77.1
  Bottom Layer w0.25: v1(54.05,72.025) 57.25,75.225 62.475,75.225 v1(63.4,76.15)
UART1.C\T\S\: U10.73 U17.9 | length 72.9
  Top Layer w0.25: v2(77.5,73.8) 78.1,73.8 78.6,74.3 U10.73@79.7,74.3 ; U17.9@118.45,30.13 118.48,30.1 v2(121,30.1)
  Bottom Layer w0.25: v2(77.5,73.8) 77.9,73.8 79.2,75.1 83.4,75.1 95.646,62.854 115.025,43.475 115.025,35.125 118.75,31.4 120.3,31.4 121,30.7 v2(121,30.1)
UART1.R\T\S\: U10.66 U17.10 | length 63.7
  Top Layer w0.25: U10.66@79.7,70.8 v2(81.3,70.8) ; U17.10@118.45,31.4 119.8,31.4 120,31.2 v2(120,30.7)
  Bottom Layer w0.25: v2(81.3,70.8) 86.75,70.8 114.3,43.25 114.3,34.879 118.479,30.7 v2@119.8,30.7
UART1.RXD: U10.74 U17.12 | length 73.1
  Top Layer w0.25: v2(77.5,74.55) 78.075,74.55 78.325,74.8 U10.74@79.7,74.8 ; U17.12@118.45,33.94 119.96,33.94 120.875,33.025 120.875,31.975 v2(120.8,31.9)
  Bottom Layer w0.25: v2(77.5,74.55) 77.75,74.55 78.925,75.725 83.8,75.725 96.271,63.254 115.75,43.775 115.75,35.35 119.2,31.9 v2(120.8,31.9)
UART1.TXD: U10.75 U17.11 | length 70.3
  Top Layer w0.25: v2(77.5,75.3) U10.75@79.7,75.3 ; U17.11@118.45,32.67 120.27,32.67 v2@120.3,32.7
  Bottom Layer w0.25: v2(77.5,75.3) 78.493,76.293 84.121,76.293 96.807,63.607 96.814,63.607 116.45,43.971 116.45,35.5 119.25,32.7 v2@120.3,32.7
  other v2: 120.2,32.7
UART2.RXD: U4.9 U10.49 | length 35.2
  Top Layer w0.25: U4.9@47.9,61.88 v1(49.755,61.88) ; v1(74.175,65.45) 75,65.45 77.4,63.05 U10.49@77.4,61.5
  Bottom Layer w0.25: v1(49.755,61.88) 53.05,65.175 67.05,65.175 68.65,63.575 72.95,63.575 74.175,64.8 v1(74.175,65.45)
UART2.TXD: U4.10 U10.48 | length 33.1
  Top Layer w0.25: U4.10@47.9,63.15 v1(49.625,63.15) ; v1(73.075,64.725) 74.925,64.725 76.9,62.75 U10.48@76.9,61.5
  Bottom Layer w0.25: v1(49.625,63.15) 52.35,65.875 67.375,65.875 69,64.25 72.475,64.25 72.95,64.725 v1(73.075,64.725)
UART3.RXD: U3.12 U10.85 | length 32.6
  Top Layer w0.25: U3.12@47.915,82.925 v1(49.525,82.925) ; v1(56.575,80.325) 59.2,82.95 v1(71.775,82.95) ; v1(73.225,78.65) 73.4,78.475 U10.85@73.4,77.1
  Bottom Layer w0.25: v1(49.525,82.925) 53.975,82.925 v1(56.575,80.325) ; v1(71.775,82.95) 71.75,82.975 71.75,80.125 v1(73.225,78.65)
UART3.TXD: U3.11 U10.82 | length 33.6
  Top Layer w0.25: U3.11@47.875,81.695 49.52,81.695 v1(49.525,81.7) ; v1(56.55,79.3) 59.45,82.2 v1(72.525,82.2) ; U10.82@74.9,77.1 74.9,78.7 74.95,78.75 v1(75.05,78.75)
  Bottom Layer w0.25: v1(49.525,81.7) 54.15,81.7 v1(56.55,79.3) ; v1(72.525,82.2) 72.525,80.525 74.321,78.729 75.029,78.729 v1(75.05,78.75)
USB_C_N: J1.2 R24.2 | length 68.1
  Top Layer w0.15: v2(67.975,53.375) R24.2@67.975,56.375 ; v2@68.052,51.977 70.216,49.813 129.777,49.813 129.9,49.69 J1.2@130.74,49.69
  Bottom Layer w0.15: v2(67.95,51.875) v2@67.95,53.35
USB_C_P: J1.3 R22.2 R23.1 | length 67.9
  Top Layer w0.15: R22.2@67.325,56.4 67.325,53.275 70.383,50.217 129.777,50.217 129.9,50.34 J1.3@130.74,50.34
USB_N: C34.1 R24.1 U10.30 | length 3.2
  Top Layer w0.15: R24.1@67.975,57.6 U10.30@67.975,60.8
USB_P: C31.1 R22.1 U10.29 | length 3.2
  Top Layer w0.15: R22.1@67.325,57.55 U10.29@67.325,60.75
USB_VBUS: R47.1 U10.21 | length 68
  Top Layer w0.25: U10.21@64.1,65.3 65.15,65.3 66.775,63.675 v1(66.775,63.325) ; v1(73.5,48.975) 119.825,48.975 R47.1@120.4,48.4
  Bottom Layer w0.25: v1(66.775,63.325) 66.775,58.275 73.5,51.55 v1(73.5,48.975)
W\A\T\C\H\D\O\G\_\L\E\D\: D5.2 U10.9 | length 58.8
  Top Layer w0.25: D5.2@40.2,110.9 41.075,111.775 47.475,111.775 49.825,109.425 49.825,103.675 54,99.5 54,74.915 57.615,71.3 U10.9@64.1,71.3
pads on no net: CONN1. CONN1.1 CONN1.8 P1.7 P2. P3. P4. P5. P6. P7. P8. P9. P11. P12. U2.5 U8.6 U8.7 U8.8 U8.9 U8.11 U9.18 U9.19 U9.20 U9.21 U9.25 U9.26 U9.27 U9.28 U10.13 U10.14 U10.16 U10.18 U10.20 U10.26 U10.27 U10.33 U10.56 U10.57 U10.58 U10.59 U10.65 U10.67 U10.68 U10.100 U11. U13.18 U13.19 U13.20 U13.21 U13.25 U13.26 U13.27 U13.28 U14.1 U14.5 U14.6 U14.8 U14.9 U14.10 U14.11 U14.12 U14.25 U14.33 U14.38 U14.42 U14.45 U14.46 Y2.3 Y2.4
copper on no net:
  other v2: 28.8,26.4 80,26.4 131.2,26.4 27.6,26.7 30,26.7 78.8,26.7 81.2,26.7 130,26.7 132.4,26.7 26.7,27.6 30.9,27.6 77.9,27.6 82.1,27.6 129.1,27.6 133.3,27.6 26.4,28.8 31.2,28.8 77.6,28.8 82.4,28.8 128.8,28.8 133.6,28.8 26.7,30 30.9,30 77.9,30 82.1,30 129.1,30 133.3,30 27.6,30.9 30,30.9 78.8,30.9 81.2,30.9 130,30.9 132.4,30.9 28.8,31.2 80,31.2 131.2,31.2 40.425,138.8 114.565,138.8 39.225,139.1 41.625,139.1 113.365,139.1 115.765,139.1 38.325,140 42.525,140 112.465,140 116.665,140 38.025,141.2 42.825,141.2 112.165,141.2 116.965,141.2 38.325,142.4 42.525,142.4 112.465,142.4 116.665,142.4 39.225,143.3 41.625,143.3 113.365,143.3 115.765,143.3 40.425,143.6 114.565,143.6

## Polygon pours and split planes (outlines as drawn)
GND on Top Layer "PSU1" (solid, remove dead copper, pour order 1000): 50.4,40.85 50.4,29.05 41.6,29.05 41.6,40.85
+3.3 on Top Layer "PSU1" (solid, pour order 1002): 67.1,28.825 65.221,28.825 65.221,31.915 65.2,31.959 65.318,32.2 67.089,32.2
GND on GND (split plane): 397 vertices, not listed, extent 25.501,25.501 134.499,144.499
AGND on GND (split plane): 102.676,70.555 102.676,69.42 101.294,68.038 101.272,68.005 101.264,67.966 101.264,59.583 100.158,58.477 94.817,58.477 93.827,59.467 93.827,69.808 96.442,72.423 100.808,72.423
NetC75_1 on GND (split plane): 134.498,45.502 130.342,45.502 129.002,46.842 129.002,54.858 130.042,55.898 134.498,55.898
+3.3 on PWR (split plane): 351 vertices, not listed, extent 25.501,25.501 134.499,144.499
no net on PWR (split plane): 109.338,75.234 109.619,75.207 109.898,75.198 109.9,75.198 134,75.198 134.012,75.199 134.098,75.19 134.191,75.162 134.278,75.116 134.353,75.053 134.416,74.978 134.462,74.891 134.49,74.797 134.499,74.712 134.498,74.7 134.498,55.777 111.367,55.777 109.077,58.067 109.077,59.333 110.942,61.198 114.2,61.198 114.239,61.206 114.272,61.228 114.294,61.261 114.302,61.3 114.302,69.2 114.294,69.239 114.272,69.272 114.239,69.294 114.2,69.302 111.242,69.302 109.077,71.467 109.077,75.278
NetP6_2 on PWR (split plane): 34.698,53.058 34.698,41.6 34.698,37.1 34.698,25.502 28.8,25.502 28.785,25.501 28.565,25.509 28.33,25.534 28.099,25.576 27.87,25.634 27.647,25.708 27.429,25.799 27.219,25.904 27.016,26.024 26.823,26.159 26.639,26.306 26.467,26.467 26.306,26.639 26.159,26.823 26.024,27.016 25.904,27.219 25.799,27.429 25.708,27.647 25.634,27.87 25.576,28.099 25.534,28.33 25.509,28.565 25.501,28.785 25.502,28.8 25.502,53.898 33.858,53.898
NetC22_1 on PWR (split plane): 58.198,35.9 58.198,25.502 34.902,25.502 34.902,31.598 39.7,31.598 39.739,31.606 39.772,31.628 44.542,36.398 49.1,36.398 49.139,36.406 49.172,36.428 49.742,36.998 58.198,36.998
+3.3A on PWR (split plane): 105.598,79.5 105.598,79.498 105.607,79.219 105.613,79.157 100.128,73.672 100.106,73.639 100.098,73.6 100.098,61.692 99.653,61.247 96.858,58.452 94.542,58.452 93.827,59.167 93.827,69.808 101.797,77.778 101.819,77.811 101.827,77.85 101.827,83.283 102.417,83.873 105.598,83.873

## Other copper
Top Layer:
  region net NetC20_1: 59.225,32.15 54.525,32.15 54.525,30.15 59.225,30.15
  region net NetD6_1: 51.025,33.25 49.425,33.25 49.425,31.95 51.025,31.95
  region net NetC20_1: 54.775,32.15 52.025,32.15 52.025,30.85 54.775,30.85
  region net NetC22_1: 52.625,35.325 51.6,35.325 51.6,34.525 52.625,34.525
  region net GND: 57.575,36.725 55.575,36.725 55.575,32.625 57.575,32.625
  region net +3.3: 67.1,31.1 62.15,31.1 62.15,26.3 67.1,26.3
  region net NetC22_1: 54.725,32.525 54.725,36.825 53.5,36.825 52.025,35.35 52.025,34.4 53.925,32.525
  region net NetC20_1: 49.625,34.025 51.325,34.025 52.025,33.325 52.025,30.85 54,30.85 54,32.15 51.825,34.325 49.625,34.325
GND (plane layer: these items are gaps in the copper):
  lines w0.2: 25,55.1 33.8,55.1 35.6,53.3 35.6,41.7 37.2,40.1 62.6,40.1 66.3,36.4 ; 66.3,25 66.3,32.9 ; 120.4,74 120.4,57.5 123,54.9 128.9,54.9 ; 135,45.4 130.3,45.4 128.9,46.8 128.9,54.9 ; 135,56 130,56 128.9,54.9 ; 93.725,59.425 93.725,69.85 96.4,72.525 100.85,72.525 102.778,70.597 102.778,69.378 101.366,67.966 101.366,59.541 100.2,58.375 94.775,58.375 93.725,59.425
PWR (plane layer: these items are gaps in the copper):
  lines w0.2: 25,54 33.9,54 34.8,53.1 34.8,37.1 ; 34.8,25 34.8,41.6 ; 34.8,31.7 37.2,31.7 39.7,31.7 44.493,36.493 ; 44.486,36.5 49.1,36.5 49.7,37.1 58.3,37.1 58.3,35.9 58.3,25 ; 106.1,79.5 100.2,73.6 100.2,61.65 99.725,61.175 96.9,58.35 94.5,58.35 93.725,59.125 93.725,69.85 101.725,77.85 101.725,83.325 102.375,83.975 106.1,83.975 ; 108.975,75.7 108.975,71.425 111.2,69.2 114.2,69.2 114.2,61.3 110.9,61.3 108.975,59.375 108.975,58.025 111.325,55.675 135,55.675

## Silkscreen, mask and mechanical layers (free items; w line width, h text height)
Top Overlay:
  drawing of 45 lines, arcs and shapes, not listed
  text "M3" at 48.2,139.9 h4
  text "UART 5" at 60.775,120.85 h2.5
  text "UART 6" at 73.733,120.841 h2.5
  text "UART 7" at 86.683,120.85 h2.5
  text "USR2" at 46.3,115.6 h1.7
  text "USR1" at 46.3,113.8 h1.7
  text "E. STOP" at 46.3,112.1 h1.7
  text "WATCHDOG" at 46.3,110.3 h1.7
  text "RESET" at 46.3,107.2 h1.7
  text "JTAG" at 42.3,96.4 h3 r90
  text "MCB" at 84.338,92.686 h8
  text "VERSION 2.0.0" at 83.963,89.836 h2.6
  text "UART 4" at 35.878,87.408 h1.35 r90
  text "S/N" at 56,84.9 h3
  text "UART 3" at 35.878,78.508 h1.35 r90
  text "UART 2" at 35.878,69.608 h1.35 r90
  text "UART 0" at 35.9,60.7 h1.35 r90
  text "PWR" at 32.5,55.8 h2.5
  text "ISP" at 79,53.9 h3
  text "USB UP" at 113.1,50.8 h2.5
  text "CAN IN" at 36.675,46.525 h2 r90
  text "UART 1" at 123.138,42.092 h2.5 r270
  text "CAN OUT" at 36.4,35.45 h1.5 r90
  text "CAN Term." at 40.4,33.8 h1.5 r90
  text "SDCARD ACT" at 88.7,30 h1.6 r90
  text "JAMES BUCKLEY" at 115.925,27.5 h1.4
  text "© 2012" at 118.825,26.275 h1.4
Bottom Overlay:
  drawing of 201 lines, arcs and shapes, not listed
  text "UART" at 113.5,133.553 h2.5
  text "1   GND" at 112.8,130.653 h2.5
  text "2   RXD" at 112.8,128.653 h2.5
  text "3   TXD" at 112.8,126.653 h2.5
  text "4   CTS" at 112.8,123.953 h2.5
  text "5   RTS" at 112.8,121.853 h2.5
  text "CAN" at 113.45,116.3 h2.5
  text "1   GND" at 112.758,113.436 h2.5
  text "2   +36V" at 112.758,111.436 h2.5
  text "3   LOW" at 112.758,109.436 h2.5
  text "4   HIGH" at 112.758,107.436 h2.5

## Text inside footprints (layer, text, board x,y; h text height)
CONN2: Top Overlay "10/100 Mbit" at 119.225,57.95 h1.5 r90; Top Overlay "ENET RJ45" at 116.5,58.775 h1.5 r90; Top Overlay "LINK" at 128.85,71.375 h1.5; Top Overlay "ACT." at 129.025,57.825 h1.5
P1: Top Overlay "1" at 28.9,103.375 h0.8 r270; Top Overlay "2" at 31.825,103.7 h0.8 r270
P2: Top Overlay "JST  PA" at 28.5,86.125 h2 r90
P3: Top Overlay "JST  PA" at 28.5,77.225 h2 r90
P4: Top Overlay "JST  PA" at 28.5,68.325 h2 r90
P5: Top Overlay "JST  PA" at 28.5,59.4 h2 r90
P6: Top Overlay "JST  PA" at 28.6,45.3 h2.5 r90
P7: Top Overlay "JST  PA" at 28.6,34.3 h2.5 r90
P8: Top Overlay "JST  PA" at 60.5,128.9 h2.5
P9: Top Overlay "JST  PA" at 73.45,128.9 h2.5
P11: Top Overlay "JST  PA" at 86.4,128.9 h2.5
P12: Top Overlay "JST  PA" at 131.3,42.5 h2.5 r270